# Altium PCB FSAES-22-E17 Temp Module PCB.PcbDoc (part 2 of 3) (continued)
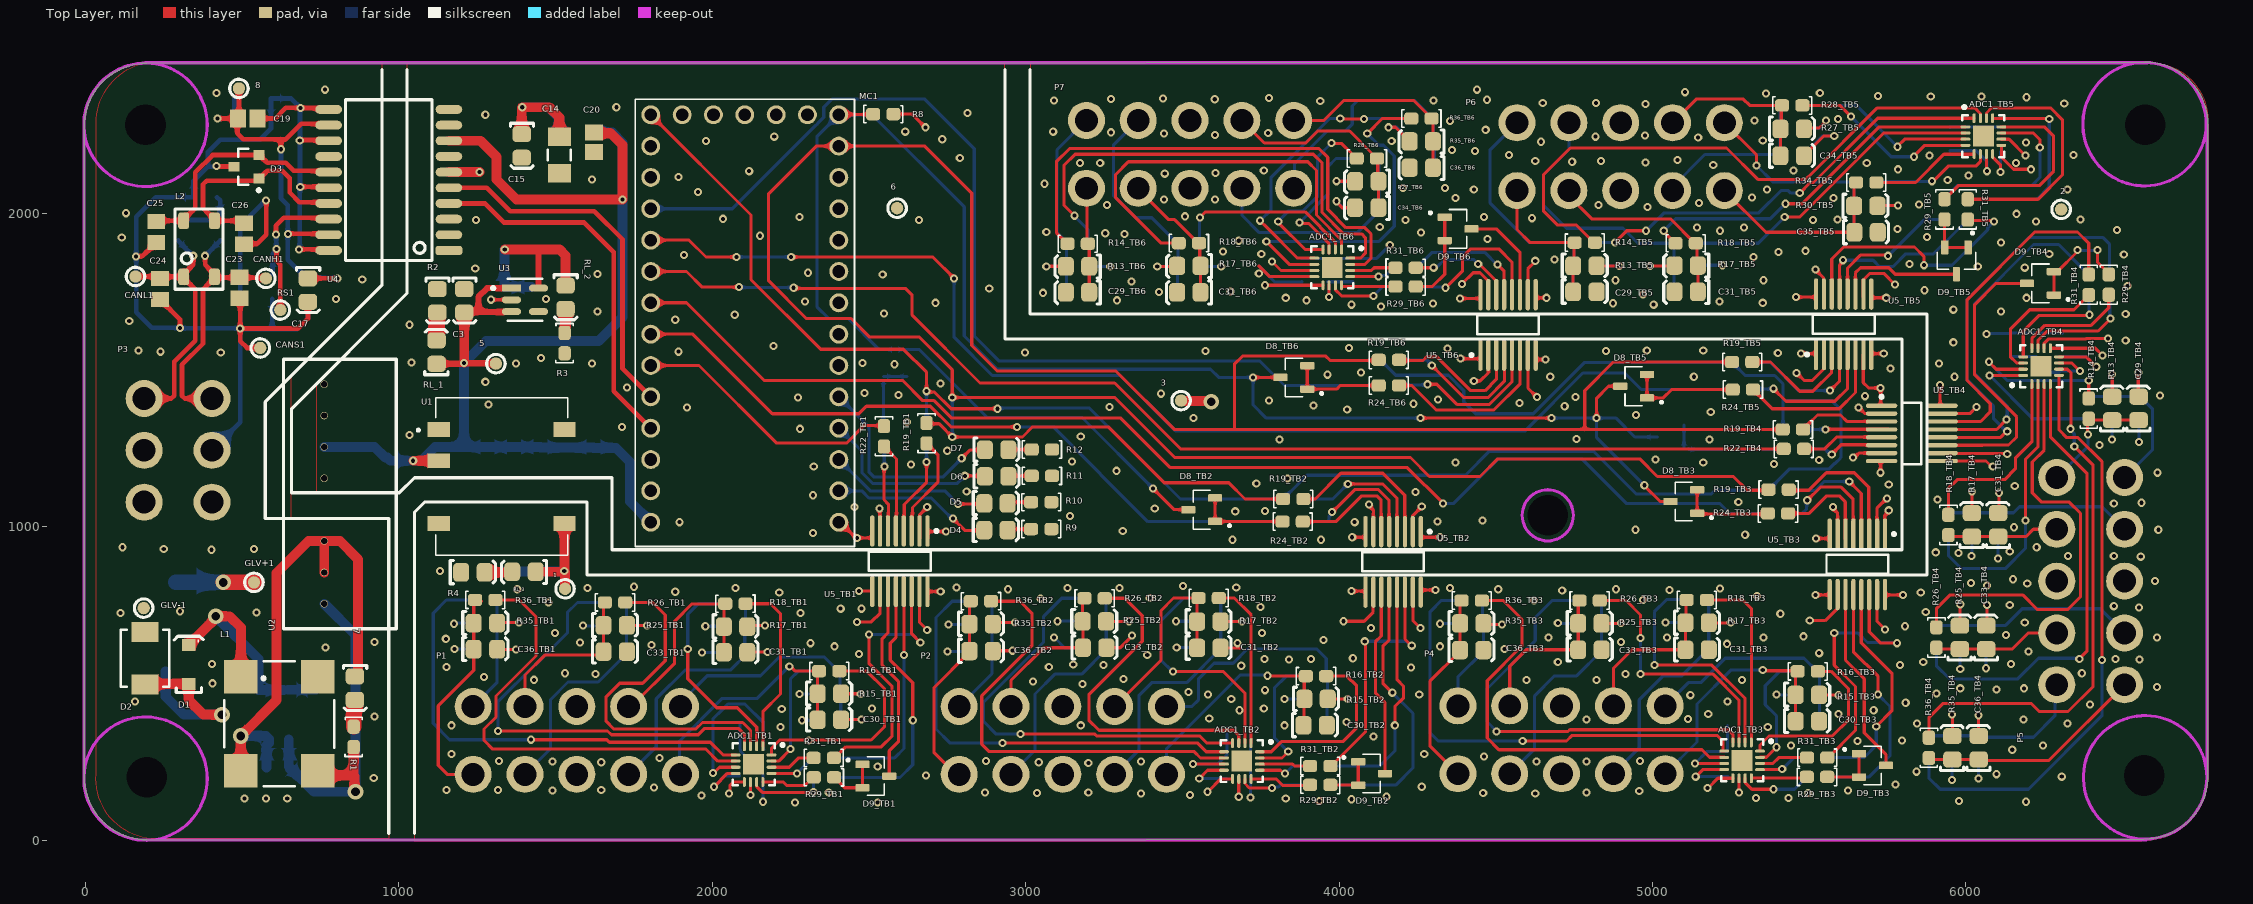
[diagram p0: Top Layer view]
## Nets (pads, with @x,y where several pads share a name; then routed paths per layer and width w, separated by ;. In a path a pad name is that pad's centre, name@x,y a point inside that pad or via, vN(x,y) a via of type N, cw(c..) or ccw(c..) an arc to the next point about the centre after c; other vN are vias at no path point) (continued)
  Bottom Layer w15: v1(302,1634) 212,1634 162,1684 v1(162,1862) 162,1988 224.97,2050.97 C22.2@345.07,2050.97 345.07,2103.07 390,2148 ; v1@303,1633 493,1633 v1(494,1632) ; P3.5@404,1243.35 494,1333.35 v1(494,1632) ; v1(418,2150) 416,2148 390,2148 ; v1@496,1630 596,1630 ; v1(576,2040) 574,2040 494,1960 v1(494,1632) ; C16.2@592,2364.31 592,2270 556,2234 430,2234 391.49,2195.49 391.49,2149.49 390,2148 ; C16.2@592,2366 656,2366 v1(686,2336) 685,2335 685,2233 v1(684,2232) ; R6.1@596,1726 596,1630 ; v1(682,1884) 683.81,1885.81 683.81,2082.19 v1(685.61,2084) 684.81,2084.81 v1@684.81,2231.19 ; C21.2@710,1723.94 710,1664 676,1630 596,1630
CRX1: MC1.23 U4.4 | length 1201.1
  Top Layer w15: U4.4@1160.02,2031 1275,2031 1336,1970 1592,1970 1686,1876 1686,1432 MC1.23@1804,1314
"CS (ADC)_TB1": ADC1_TB1.11 R33_TB1.1 | length 251.3
  Top Layer w10: ADC1_TB1.11@2141.84,184.91 2141.84,170.16 2160,152 2322,152 v1(2323,153)
  Bottom Layer w10: v1(2323,153) 2323,199 R33_TB1.1@2324,200
"CS (ADC)_TB2": ADC1_TB2.11 R33_TB2.1 | length 232.5
  Top Layer w10: ADC1_TB2.11@3699.84,194.91 3699.84,180.16 3714,166 v1(3786,166)
  Bottom Layer w10: v1(3786,166) 3789.06,169.06 3807.38,169.06 3814.33,176 R33_TB2.1@3907.57,176
"CS (ADC)_TB3": ADC1_TB3.11 R33_TB3.1 | length 235.8
  Top Layer w10: ADC1_TB3.11@5295.84,196.91 5295.84,183.26 5317.1,162 v1(5386,162)
  Bottom Layer w10: v1(5386,162) 5453.4,162 5475.06,183.66 5475.06,183.99 5492.37,201.3 R33_TB3.1@5492.7,201.3
"CS (ADC)_TB4": ADC1_TB4.11 R33_TB4.1 | length 364.2
  Top Layer w10: ADC1_TB4.11@6230.16,1569.09 6230.16,1594.7 6259.46,1624 6422,1624 v1(6462,1664)
  Bottom Layer w10: R33_TB4.1@6456,1739.52 6459,1736.52 6459,1667 v1(6462,1664)
"CS (ADC)_TB5": ADC1_TB5.11 R33_TB5.1 | length 587
  Top Layer w10: ADC1_TB5.11@6113.09,2255.84 6215.11,2255.84 6236,2234.96 v1(6236,2210)
  Bottom Layer w10: R33_TB5.1@5932,2044.48 5932,2047.43 5972.57,2088 6210,2088 6236,2114 v1(6236,2210)
"CS (ADC)_TB6": ADC1_TB6.11 R33_TB6.1 | length 227.3
  Top Layer w10: ADC1_TB6.11@3988.24,1769.84 3988.24,1755.76 4008,1736 v1(4110,1736)
  Bottom Layer w10: v1(4110,1736) 4140,1766 R33_TB6.1@4180.83,1766
"CS (SIGNAL ISO)_TB1": R33_TB1.2 U5_TB1.12 | length 857.3
  Top Layer w10: U5_TB1.12@2586,793.09 2586,645.57 2568,627.57 2568,574 2640,502 v1(2640,382)
  Bottom Layer w10: R33_TB1.2@2389.94,199.35 2599.35,199.35 2640,240 v1(2640,382)
"CS (SIGNAL ISO)_TB2": R33_TB2.2 U5_TB2.12 | length 895
  Top Layer w10: U5_TB2.12@4160,791.09 4160,638 4140,618 4140,500 v1(4170,470)
  Bottom Layer w10: R33_TB2.2@3972.53,176 4182,176 4235.99,229.99 4235.99,404.01 v1(4170,470)
"CS (SIGNAL ISO)_TB3": R33_TB3.2 U5_TB3.12 | length 791.4
  Top Layer w10: U5_TB3.12@5641.21,783.09 5641.21,600.79 5720,522 v1(5720,464)
  Bottom Layer w10: R33_TB3.2@5557.66,201.3 5691.3,201.3 5758,268 5758,426 v1(5720,464)
"CS (SIGNAL ISO)_TB4": R33_TB4.2 U5_TB4.12 | length 1334.2
  Top Layer w10: U5_TB4.12@5924,1284.8 6110.55,1284.8 ; 6111.01,1285.4 6129.61,1304 v1(6132,1304)
  Bottom Layer w10: v1(6132,1304) 6128.41,1304 6088.49,1343.92 6088.49,1383.51 6004,1468 6004,1726 6200,1922 6438,1922 6458,1902 6458,1806.48 R33_TB4.2@6456,1804.48
"CS (SIGNAL ISO)_TB5": R33_TB5.2 U5_TB5.12 | length 468.1
  Top Layer w10: U5_TB5.12@5622.41,1732 5622.41,1824.82 5663.59,1866 5750.01,1866 v1(5752,1864.01)
  Bottom Layer w10: v1(5752,1864.01) 5867.51,1979.52 R33_TB5.2@5932,1979.52
"CS (SIGNAL ISO)_TB6": R33_TB6.2 U5_TB6.12 | length 506.4
  Top Layer w10: v1(4340,1762) 4394.32,1816.32 4394.32,1860.32 4420,1886 4510,1886 4552,1844 U5_TB6.12@4552,1740
  Bottom Layer w10: R33_TB6.2@4245.8,1766 4247.8,1764 4338,1764 v1(4340,1762)
CTX1: MC1.22 U4.5 | length 1161.6
  Top Layer w15: U4.5@1160.02,2081 1281,2081 1356,2006 1624,2006 1714,1916 1714,1504 MC1.22@1804,1414
DECAP_TB1: ADC1_TB1.8 C37_TB1.2 | length 182.1
  Top Layer w10: v1(2006,170) 2048.47,212.47 ADC1_TB1.8@2074.91,212.47
  Bottom Layer w10: v1(2006,170) 2040.97,204.97 C37_TB1.2@2087.07,204.97
DECAP_TB2: ADC1_TB2.8 C37_TB2.2 | length 180
  Top Layer w10: v1(3554,196) 3580.47,222.47 ADC1_TB2.8@3632.91,222.47
  Bottom Layer w10: v1(3554,196) 3641.11,196 C37_TB2.2@3643.23,193.88
DECAP_TB3: ADC1_TB3.8 C37_TB3.2 | length 203.7
  Top Layer w10: v1(5138,202) 5160.47,224.47 ADC1_TB3.8@5228.91,224.47
  Bottom Layer w10: v1(5138,202) 5138.97,202.97 C37_TB3.2@5241.07,202.97
DECAP_TB4: ADC1_TB4.8 C37_TB4.2 | length 253.3
  Top Layer w10: ADC1_TB4.8@6297.09,1541.53 6384.47,1541.53 v1(6416,1510)
  Bottom Layer w10: C37_TB4.2@6307.96,1542 6384,1542 v1(6416,1510)
DECAP_TB5: ADC1_TB5.8 C37_TB5.2 | length 137.9
  Top Layer w10: ADC1_TB5.8@6085.53,2188.91 6085.53,2178.24 6110.94,2152.83 v1(6110.94,2131.06)
  Bottom Layer w10: v1(6110.94,2131.06) 6110.94,2196.05 C37_TB5.2@6114.12,2199.23
DECAP_TB6: ADC1_TB6.8 C37_TB6.2 | length 350.2
  Top Layer w10: 3744,1832 3778.6,1797.4 ADC1_TB6.8@3921.31,1797.4
  Bottom Layer w10: 3744,1832 3795.46,1780.54 3880.5,1780.54 C37_TB6.2@3881.03,1781.07
  other v1: 3744,1808
G1: 6.1 C1.2 C3.1 C4.2 C5.1 C8.2 C9.1 C10.1 C14.2 C15.2 C18.2 C20.1 C27.2 C28.2 MC1.G1 MC1.G2 R2.1 R3.1 R9.1 R10.1 R11.1 R12.1 U1.1 U2.7 U3.2 U3.4 U4.1 U4.3 U4.7 U4.9 U4.10 U5_TB1.2 U5_TB1.8 U5_TB2.2 U5_TB2.8 U5_TB3.2 U5_TB3.8 U5_TB4.2 U5_TB4.8 U5_TB5.2 U5_TB5.8 U5_TB6.2 U5_TB6.8 | length 1144.5
  Top Layer w10: v1(1294,1724) 1294.3,1723.7 1359.06,1723.7 U3.2@1359.36,1723.4 ; MC1.G1@2404,1014 2408,1014 2458,964 2510.27,964 U5_TB1.8@2511.81,962.46 ; U5_TB1.2@2662.99,962.46 2662.31,963.14 2662.31,1038.31 v1(2686,1062) ; v1(4042,966) 4082.27,966 U5_TB2.8@4083.81,964.46 ; U5_TB2.2@4234.99,964.46 4234.99,1034.99 v1(4264,1064) ; v1(4430,1464) 4430.79,1464.79 4450.79,1464.79 4475.12,1489.12 4475.12,1489.32 4477.01,1491.21 U5_TB6.2@4477.01,1535.54 ; U5_TB6.8@4628.19,1535.54 4628.19,1534.65 4629.93,1532.9 v1(4658.42,1532.9) ; v1(5460,1490) 5484,1466 5510,1466 5545.32,1501.32 5545.32,1502.87 5546.82,1504.36 U5_TB5.2@5546.82,1539.09 ; v1(5522,962) 5563.59,962 U5_TB3.8@5564.87,960.71 ; v1(5658,1380) 5677.01,1360.99 U5_TB4.2@5753.54,1360.99 ; U5_TB5.8@5698,1539.09 5698,1549.86 5700.14,1552 v1(5738,1552) ; U5_TB3.2@5716.05,960.71 5716.05,1058.05 v1(5748,1090) ; v1(5728,1172) 5728,1207.47 5729.89,1209.35 U5_TB4.8@5754,1209.35
  other v1: 3660,958 3942,958 2462,964 5296,974 2322,980 3310,986 4946,990 1896,1014 4050,1014 4314,1016 4458,1020 3142,1034 3668.81,1048.8 3764,1050 3412,1058 2454,1062 5274,1078 2322,1100 4244,1110 2812,1112 5754,1134 3736,1138 3836,1154 3290,1178 2324,1192 2634,1198 5388,1200 4372,1204 5162,1204 3148,1208 5532,1212 5010,1214 2750,1242 3810,1278 5182,1278 4758,1280 3176,1288 1034,1292 2280,1312 1712,1318 2622,1334 3536,1346 4948,1356 5186,1366 4026,1374 1920,1380 3268,1382 4720,1384 3918,1386 1286,1390 4238,1392 4576,1394 3776,1402 4316,1406 2274,1412 4754,1414 5678,1416 2594,1420 3432,1424 2486,1426 1728,1444 2728,1456 1276,1462 4674,1478 5132,1478 3963.04,1484.7 4070,1492 5760,1504 2581.17,1518.08 1374,1520 1616,1520 2480,1522 1040,1524 5400,1554 2998,1556 1892,1558 3574,1560 4852,1560 4982,1562 5162,1562 4346,1568 4032,1570 2196,1576 1034,1644 1882,1660 2072,1676 2548,1680 1634,1686 2712,1714 2296,1718 1470,1726 2884,1760 2544,1804 1634,1806 2306,1810 1244,1824 1910,1866 2152,1928 1246,1978 2660.16,1978 2034,1982 2278,1988 1955.19,2067.02 1616,2108 1892,2116 2118,2134 2790,2176 1980,2230 2734,2236 2198,2244 2616,2260 1276,2314 2814,2320 1694,2338
GLV+: F1.1 GLV+1.1 P3.1 | length 256.1
  Top Layer w50: P3.1@187.46,1078 P3.1@191.8,1073.66 ; v2(440,822) GLV+1.1@538,822
  Bottom Layer w50: F1.1@288,822 v2(440,822)
GLV-: C6.2 C11.1 C12.1 D2.1 GLV-1.1 L1.4 P3.4
  other v1: 508,132 576,132 644,132 920,198 922,394 158,442 406,500 766,614 922,632 112,724 546,726 302,730 402,926 250,928 538,928 118,934 432,1556 240,1558 170,1562 140,1656 800,1726 883.3,1788.37 116,1922 130,2000 418,2384 764,2394
LED1: D4.A MC1.0 | length 516.6
  Top Layer w10: v1(2768,1026) 2806,988 2867,988 D4.A@2868,989
  Bottom Layer w10: MC1.0@2404,1114 2477.03,1114 2500,1091.03 2698.97,1091.03 2764,1026 v1(2768,1026)
LED2: D5.A MC1.1 | length 523.6
  Top Layer w10: v1(2784,1072) 2866,1072 D5.A@2868,1074
  Bottom Layer w10: MC1.1@2404,1214 2504,1114 2742,1114 v1(2784,1072)
LED3: D6.A MC1.2 | length 597.6
  Top Layer w10: v1(2806,1162) D6.A@2868,1162 ; D6.A@2864,1166 D6.A@2868,1162 ; D6.A@2870,1160 D6.A@2868,1162 ; D6.A@2870,1162 D6.A@2868,1162
  Bottom Layer w10: MC1.2@2404,1314 2478,1240 2478,1171.28 2511.28,1138 2782,1138 v1(2806,1162)
LED4: D7.A MC1.3 | length 692
  Top Layer w10: v1(2796,1218) 2822,1244 2869,1244 D7.A@2870,1245
  Bottom Layer w10: MC1.3@2404,1414 2500,1318 2500,1174.74 2516.74,1158 2736,1158 v1(2796,1218)
MISO: D8_TB1.3 D8_TB2.3 D8_TB3.3 D8_TB4.3 D8_TB5.3 D8_TB6.3 MC1.12 R8.1 | length 6142.3
  Top Layer w10: MC1.12@2404,2314 2405,2315 2512.52,2315 R8.1@2513.52,2316 ; v1(3406,1122) 3474,1054 D8_TB2.3@3519.28,1054 ; v1(3726,1476) D8_TB6.3@3813.28,1476 ; v1(4260,1346) v1(4678,1346) ; v1(4822,1346) 4822,1410 4860,1448 D8_TB5.3@4878,1448 ; D8_TB5.3@4896.28,1449 D8_TB5.3@4897.28,1448 ; v1(4974,1131.99) 4974,1130.43 5024.43,1080 D8_TB3.3@5057.28,1080
  Bottom Layer w10: v1(3406,1122) 3180,1348 2878,1348 2661.28,1564.72 D8_TB1.3@2584,1564.72 2532.9,1564.72 2433.62,1664 2371.7,1664 2334,1701.69 2334,2244 MC1.12@2404,2314 2510,2314 2804,2020 2804,1608 2910,1502 3590,1502 3616,1476 v1(3726,1476) 3726,1388 3768,1346 v1(4260,1346) ; v1(4678,1346) v1(4822,1346) ; v1(4974,1131.99) 4822,1283.99 v1(4822,1346) ; D8_TB4.3@5015.28,1286 4944,1286 4884,1346 v1(4822,1346)
"MISO (ADC)_TB1": ADC1_TB1.12 R29_TB1.2 | length 177.8
  Top Layer w10: ADC1_TB1.12@2161.53,184.91 2227.09,184.91 2238,174 2295.05,174 2321.05,200 R29_TB1.2@2324,200
"MISO (ADC)_TB2": ADC1_TB2.12 R29_TB2.2 | length 197.5
  Top Layer w10: ADC1_TB2.12@3719.53,194.91 3799.09,194.91 3820,174 3905.57,174 R29_TB2.2@3907.57,176
"MISO (ADC)_TB3": ADC1_TB3.12 R29_TB3.2 | length 179.6
  Top Layer w10: ADC1_TB3.12@5315.53,196.91 5315.53,197.93 5315.61,198.01 5489.41,198.01 R29_TB3.2@5492.7,201.3
"MISO (ADC)_TB4": ADC1_TB4.12 R29_TB4.2 | length 358.6
  Top Layer w10: ADC1_TB4.12@6210.47,1569.09 6210.47,1600.47 6252,1642 6399.59,1642 6456,1698.41 R29_TB4.2@6456,1739.52
"MISO (ADC)_TB5": ADC1_TB5.12 R29_TB5.2 | length 676.4
  Top Layer w10: R29_TB5.2@5932,2044.48 5932,2044.81 5946.32,2059.13 5946.65,2059.13 5975.52,2088 6234,2088 6280,2134 6280,2246 6250.47,2275.53 ADC1_TB5.12@6113.09,2275.53
"MISO (ADC)_TB6": ADC1_TB6.12 R29_TB6.2 | length 175.7
  Top Layer w10: ADC1_TB6.12@4007.93,1769.84 4007.93,1766.08 4008.01,1766 R29_TB6.2@4179.85,1766
"MISO (SIGNAL ISO)_TB1": D9_TB1.3 U5_TB1.11 | length 630.5
  Top Layer w10: U5_TB1.11@2560.8,793.09 2560.8,661.2 2542,642.4 2542,558 2594,506 2594,313.6 2564.72,284.32 D9_TB1.3@2564.72,204
"MISO (SIGNAL ISO)_TB2": D9_TB2.3 U5_TB2.11 | length 599.6
  Top Layer w10: U5_TB2.11@4134.8,791.09 4134.8,650.8 4116,632 4116,470 4146.72,439.28 D9_TB2.3@4146.72,212
"MISO (SIGNAL ISO)_TB3": D9_TB3.3 U5_TB3.11 | length 598.4
  Top Layer w10: U5_TB3.11@5616.02,783.09 5616.02,573.98 5676,514 5676,342 5744.72,273.28 D9_TB3.3@5744.72,238
"MISO (SIGNAL ISO)_TB4": D9_TB4.3 U5_TB4.11 | length 921.9
  Top Layer w10: U5_TB4.11@5924,1259.61 6052.33,1259.61 6052.93,1260.2 6136.2,1260.2 6162,1286 6162,1350 6028,1484 6028,1708 6096,1776 D9_TB4.3@6195.28,1776
"MISO (SIGNAL ISO)_TB5": D9_TB5.3 U5_TB5.11 | length 415.4
  Top Layer w10: U5_TB5.11@5647.61,1732 5647.61,1809.61 5664,1826 5754,1826 5774.72,1805.28 D9_TB5.3@5970,1805.28
"MISO (SIGNAL ISO)_TB6": D9_TB6.3 U5_TB6.11 | length 332.2
  Top Layer w10: D9_TB6.3@4422.72,1950 4502,1950 4577.8,1874.2 U5_TB6.11@4577.8,1728.46
MOSI: MC1.11 R19_TB1.1 R19_TB2.1 R19_TB3.1 R19_TB4.1 R19_TB5.1 R19_TB6.1 | length 10503.7
  Top Layer w10: R19_TB1.1@2684,1328 2724,1328 v1(2766,1286) 2990,1286 3022,1318 3264,1318 3442,1140 3648,1140 3700,1088 R19_TB2.1@3821.52,1088 ; 3473.7,1310.64 3287.92,1496.42 2909.58,1496.42 2828,1578 2828,2064 2678,2214 MC1.11@2404,2214 2332,2214 2180,2062 2180,1784 2300,1664 2443.39,1664 2502.89,1604.5 2661.5,1604.5 2766,1500 v1(2766,1412) 3284.34,1412 3475.92,1220.42 4227.92,1220.42 4288.35,1159.98 4449.98,1159.98 4506,1216 4959.84,1216 5015.85,1159.98 5258.35,1159.98 5302.34,1116 R19_TB3.1@5370,1116 ; 3474.4,1309.94 3666,1309.94 3666,1518 3692,1544 3957.57,1544 3971.71,1529.86 R19_TB6.1@4126.55,1529.86 ; 3667,1309.94 4633.49,1309.94 ; 4634.49,1309.94 4784,1309.94 ; R19_TB5.1@5253.71,1525.21 4875.21,1525.21 4784,1434 4784,1309.94 ; R19_TB4.1@5415.67,1309.94 4784,1309.94
  Bottom Layer w10: v1(2766,1286) v1(2766,1412)
"MOSI (ADC)_TB1": ADC1_TB1.14 R31_TB1.1 | length 146.8
  Top Layer w10: ADC1_TB1.14@2189.09,232.16 2245.74,232.16 2275.59,262 R31_TB1.1@2323.52,262
"MOSI (ADC)_TB2": ADC1_TB2.14 R31_TB2.1 | length 163
  Top Layer w10: ADC1_TB2.14@3747.09,242.16 3851.84,242.16 3858,236 R31_TB2.1@3907.52,236
"MOSI (ADC)_TB3": ADC1_TB3.14 R31_TB3.1 | length 157.7
  Top Layer w10: ADC1_TB3.14@5343.09,244.16 5383.74,244.16 5402.6,263.02 R31_TB3.1@5492.98,263.02
"MOSI (ADC)_TB4": ADC1_TB4.14 R31_TB4.1 | length 432.6
  Top Layer w10: ADC1_TB4.14@6182.91,1521.84 6162.16,1521.84 6142,1542 6142,1630 6204,1692 6344.96,1692 6377.35,1724.39 6377.68,1724.39 6392,1738.71 R31_TB4.1@6392,1739.04
"MOSI (ADC)_TB5": ADC1_TB5.14 R31_TB5.1 | length 791.5
  Top Layer w10: R31_TB5.1@6006,2044.48 6230.48,2044.48 6308,2122 6308,2298 6270,2336 6082,2336 6065.84,2319.84 ADC1_TB5.14@6065.84,2303.09
"MOSI (ADC)_TB6": ADC1_TB6.14 R31_TB6.1 | length 148
  Top Layer w10: ADC1_TB6.14@4035.49,1817.09 4103.09,1817.09 4112,1826 R31_TB6.1@4179.8,1826
"MOSI (SIGNAL ISO)_TB1": R31_TB1.2 U5_TB1.14 | length 918.5
  Top Layer w10: R31_TB1.2@2388.48,262 2391.43,262 2426.62,297.18 2539.18,297.18 2574,332 2574,489.85 2500,563.85 v1(2500,656) ; U5_TB1.14@2636.39,793.09 2636.39,657.61 v1(2664,630)
  Bottom Layer w10: v1(2500,656) 2638,656 v1(2664,630)
"MOSI (SIGNAL ISO)_TB2": R31_TB2.2 U5_TB2.14 | length 783.1
  Top Layer w10: R31_TB2.2@3972.48,236 3975.43,236 4084,344.57 4084,632 v1(4082,634) ; U5_TB2.14@4210.39,791.09 4210.39,640.8 4231.2,620 v1(4232,620)
  Bottom Layer w10: v1(4082,634) 4213.67,634 4227.67,620 v1(4232,620)
"MOSI (SIGNAL ISO)_TB3": R31_TB3.2 U5_TB3.14 | length 899.6
  Top Layer w10: R31_TB3.2@5557.94,263.02 5560.9,263.02 5648,350.12 5648,490 5580,558 v1(5580,660) ; U5_TB3.14@5691.61,783.09 5691.61,664.39 5728,628 v1(5780,628)
  Bottom Layer w10: v1(5580,660) 5656.16,660 5686.17,629.99 5778.01,629.99 v1(5780,628)
"MOSI (SIGNAL ISO)_TB4": R31_TB4.2 U5_TB4.14 | length 1147.8
  Top Layer w10: U5_TB4.14@5924,1335.2 6047.2,1335.2 6078,1366 6078,1392 6004,1466 6004,1724 6220,1940 6356,1940 6392,1904 R31_TB4.2@6392,1804
"MOSI (SIGNAL ISO)_TB5": R31_TB5.2 U5_TB5.14 | length 838.3
  Top Layer w10: U5_TB5.14@5572.02,1737.67 5572.02,1854.02 5610,1892 5836,1892 5866,1862 v1(5866,1834) ; R31_TB5.2@6006,1979.52 6008.76,1976.76 6087.24,1976.76 v1(6090,1974)
  Bottom Layer w10: v1(5866,1834) 5956,1834 6069.67,1947.67 6069.67,1953.67 v1(6090,1974)
"MOSI (SIGNAL ISO)_TB6": R31_TB6.2 U5_TB6.14 | length 339.6
  Top Layer w10: R31_TB6.2@4244.76,1826 v1(4302,1826) ; v1(4444,1838) 4447.28,1838 4501.61,1783.67 U5_TB6.14@4501.61,1740
  Bottom Layer w10: v1(4302,1826) 4305.06,1829.06 4313.6,1829.06 4336.54,1852 4430,1852 v1(4444,1838)
Net7_K: 7.K R1.2 | length 89.2
  Top Layer w50: R1.2@856,361.48 856,446.48 856.59,447.07 7.K@859.97,447.07
NetADC1_TB1_1: ADC1_TB1.1 R18_TB1.1 | length 571.1
  Top Layer w10: R18_TB1.1@2106.48,754 2186,754 2218,722 2218,466 2161.61,409.61 2161.61,299.17 ADC1_TB1.1@2161.53,299.09
NetADC1_TB1_2: ADC1_TB1.2 R23_TB1.1 | length 684.3
  Top Layer w10: v1(1922,610) 1922,514 2014,422 2080.01,422 2142.01,360 2142.01,334.96 2141.84,334.8 ADC1_TB1.2@2141.84,299.09
  Bottom Layer w10: v1(1922,610) 1922,720 1956,754 R23_TB1.1@2041.47,754
NetADC1_TB1_3: ADC1_TB1.3 R26_TB1.1 | length 1145.3
  Top Layer w10: R26_TB1.1@1722.48,758 1810,758 1850,718 1850,572 1778,500 1704.54,500 1661.43,456.88 1661.43,378.57 1686,354 1948,354 1968.85,374.85 2097.15,374.85 2122.08,349.92 2122.08,299.17 ADC1_TB1.3@2122.16,299.09
NetADC1_TB1_4: ADC1_TB1.4 R28_TB1.1 | length 1449.5
  Top Layer w10: v1(1316,348) 1666,348 1674,340 1674.54,340 1678.54,336 1955.46,336 1974.73,355.27 2084.73,355.27 2102.47,337.53 ADC1_TB1.4@2102.47,299.09
  Bottom Layer w10: v1(1316,348) 1316,441.08 1433.03,558.1 1435.69,558.1 1538,660.41 1538,726 1570,758 R28_TB1.1@1657.52,758
NetADC1_TB1_5: ADC1_TB1.5 R34_TB1.1 | length 1509.4
  Top Layer w10: v1(1422,320) 1664,320 1672,312 1994,312 2034.47,271.53 ADC1_TB1.5@2074.91,271.53
  Bottom Layer w10: R34_TB1.1@1243.52,766 1152,766 1110,724 1110,372 1162,320 v1(1422,320)
NetADC1_TB1_6: ADC1_TB1.6 R36_TB1.1 | length 1444.8
  Top Layer w10: R36_TB1.1@1308.48,766 1384,766 1437.86,712.14 1437.86,587.31 1310,459.46 1310,392 1272,354 1272,318 1300,290 1980,290 2018.16,251.84 ADC1_TB1.6@2074.91,251.84
NetADC1_TB1_15: ADC1_TB1.15 R14_TB1.1 | length 401.8
  Top Layer w10: ADC1_TB1.15@2189.09,251.84 2211.84,251.84 v1(2250,290)
  Bottom Layer w10: v1(2250,290) 2250,514 2274.8,538.8 R14_TB1.1@2340.81,538.8
NetADC1_TB1_16: ADC1_TB1.16 R16_TB1.1 | length 698.7
  Top Layer w10: ADC1_TB1.16@2189.09,271.53 2189.09,293.09 2215,319 2507,319 2550,362 2550,482 2493.2,538.8 R16_TB1.1@2405.82,538.8
  other v1: 2308,318
NetADC1_TB2_1: ADC1_TB2.1 R18_TB2.1 | length 534.6
  Top Layer w10: R18_TB2.1@3616.48,772 3666,772 3719.53,718.47 ADC1_TB2.1@3719.53,309.09
NetADC1_TB2_2: ADC1_TB2.2 R23_TB2.1 | length 746.1
  Top Layer w10: v1(3470,538) 3630,538 3699.84,468.16 ADC1_TB2.2@3699.84,309.09
  Bottom Layer w10: v1(3470,538) 3467.94,538 3432,573.94 3432,700 3504,772 R23_TB2.1@3551.52,772
  other v1: 3682,414
NetADC1_TB2_3: ADC1_TB2.3 R26_TB2.1 | length 1069.8
  Top Layer w10: R26_TB2.1@3252.47,771.43 3316.57,771.43 3372,716 3372,634 3202,464 3202,382 3234,350 3664,350 3680.08,333.92 3680.08,309.17 ADC1_TB2.3@3680.16,309.09
NetADC1_TB2_4: ADC1_TB2.4 R28_TB2.1 | length 1391.8
  Top Layer w10: v1(2984,338) 3220.54,338 3226.54,332 3556,332 3578.91,309.09 ADC1_TB2.4@3660.47,309.09
  Bottom Layer w10: v1(2984,338) 2906,338 2866,378 2866,440.37 3057.43,631.8 3057.43,713.43 3115.43,771.43 R28_TB2.1@3187.51,771.43
NetADC1_TB2_5: ADC1_TB2.5 R34_TB2.1 | length 1438.5
  Top Layer w10: v1(2926,310) 3548,310 3576.47,281.53 ADC1_TB2.5@3632.91,281.53
  Bottom Layer w10: R34_TB2.1@2826,762 2766,762 2714,710 2714,354 2758,310 v1(2926,310)
NetADC1_TB2_6: ADC1_TB2.6 R36_TB2.1 | length 1421.2
  Top Layer w10: R36_TB2.1@2890,762 2982,762 3020,724 3020,620 2860,460 2860,306 2884,282 3538,282 3558.16,261.84 ADC1_TB2.6@3632.91,261.84
NetADC1_TB2_15: ADC1_TB2.15 R14_TB2.1 | length 436.9
  Top Layer w10: ADC1_TB2.15@3747.09,261.84 3817.84,261.84 v1(3838,282)
  Bottom Layer w10: v1(3838,282) 3794,326 3794,486 3831.03,523.03 R14_TB2.1@3894.05,523.03
NetADC1_TB2_16: ADC1_TB2.16 R16_TB2.1 | length 584.4
  Top Layer w10: ADC1_TB2.16@3747.09,281.53 3783.53,281.53 3816,314 4012,314 4056,358 4056,492 4024.97,523.03 R16_TB2.1@3959.06,523.03
NetADC1_TB3_1: ADC1_TB3.1 R18_TB3.1 | length 580.3
  Top Layer w10: R18_TB3.1@5174,766 5288,766 5315.53,738.47 ADC1_TB3.1@5315.53,311.09
NetADC1_TB3_2: ADC1_TB3.2 R23_TB3.1 | length 762.6
  Top Layer w10: v1(5006,558) 5189.46,558 5295.84,451.61 ADC1_TB3.2@5295.84,311.09
  Bottom Layer w10: v1(5006,558) 5006,728 5044.97,766.97 R23_TB3.1@5107.98,766.97
NetADC1_TB3_3: ADC1_TB3.3 R26_TB3.1 | length 820.8
  Top Layer w10: R26_TB3.1@4832,764 4916,764 4962,718 v1(4962,644) ; v1(4962,530) 5192,530 5276.16,445.84 ADC1_TB3.3@5276.16,311.09
  Bottom Layer w10: v1(4962,530) v1(4962,644)
NetADC1_TB3_4: ADC1_TB3.4 R28_TB3.1 | length 1393
  Top Layer w10: v1(4502,346) 4730.54,346 4736.54,352 5242,352 5256.47,337.53 ADC1_TB3.4@5256.47,311.09
  Bottom Layer w10: v1(4502,346) 4502,348 4472,378 4472,482 4626,636 4626,710 4680,764 R28_TB3.1@4767.04,764
NetADC1_TB3_5: ADC1_TB3.5 R34_TB3.1 | length 1498
  Top Layer w10: v1(4586,316) 4726,316 4744,334 5206,334 5224.61,315.39 5224.61,283.61 5224.69,283.53 ADC1_TB3.5@5228.91,283.53
  Bottom Layer w10: R34_TB3.1@4391.04,764 4326,764 4290.71,728.71 4290.71,341.29 4316,316 v1(4586,316)
NetADC1_TB3_6: ADC1_TB3.6 R36_TB3.1 | length 1359.3
  Top Layer w10: R36_TB3.1@4456,764 4524,764 4584,704 4584,619.46 4472.72,508.17 4472.72,325.28 4510,288 5158,288 5182.16,263.84 ADC1_TB3.6@5228.91,263.84
NetADC1_TB3_15: ADC1_TB3.15 R14_TB3.1 | length 399.7
  Top Layer w10: ADC1_TB3.15@5343.09,263.84 5343.17,263.92 5363.92,263.92 v1(5396,296)
  Bottom Layer w10: v1(5396,296) 5396,396 5360,432 5360,492 5406,538 R14_TB3.1@5463.52,538
NetADC1_TB3_16: ADC1_TB3.16 R16_TB3.1 | length 555.2
  Top Layer w10: ADC1_TB3.16@5343.09,283.53 5343.09,303.09 5372,332 5574,332 5626,384 5626,482 5570,538 R16_TB3.1@5528,538
NetADC1_TB4_1: ADC1_TB4.1 R18_TB4.1 | length 616.6
  Top Layer w10: R18_TB4.1@5944.23,1037.68 5944.23,1122.23 5972,1150 6124,1150 6158,1184 6158,1218.41 6210.47,1270.89 ADC1_TB4.1@6210.47,1454.91
NetADC1_TB4_2: ADC1_TB4.2 R23_TB4.1 | length 896.1
  Top Layer w10: v1(6190,1020) 6190,1214.21 6230.16,1254.36 ADC1_TB4.2@6230.16,1454.91
  Bottom Layer w10: R23_TB4.1@5944.2,972.72 5944.2,907.8 5986,866 6126,866 6190,930 v1(6190,1020)
NetADC1_TB4_3: ADC1_TB4.3 R26_TB4.1 | length 1383.3
  Top Layer w10: R26_TB4.1@5906,678.48 5906,738 5950,782 6180.99,782 6226.99,736 6326,736 6366,776 6366,1042 6330,1078 6242,1078 6212,1108 6212,1206 6249.84,1243.84 ADC1_TB4.3@6249.84,1454.91
NetADC1_TB4_4: ADC1_TB4.4 R28_TB4.1 | length 1494.2
  Top Layer w10: ADC1_TB4.4@6269.53,1454.91 6269.53,1286.47 6386,1170 6386,602 v1(6362,578)
  Bottom Layer w10: R28_TB4.1@5906,613.52 5906,556 5948,514 6166,514 6232,580 6360,580 v1(6362,578)
NetADC1_TB4_5: ADC1_TB4.5 R34_TB4.1 | length 1891.6
  Top Layer w10: ADC1_TB4.5@6297.09,1482.47 6297.09,1308.91 6322.01,1283.99 6358.01,1283.99 6434,1208 v1(6434,574)
  Bottom Layer w10: R34_TB4.1@5882,261.52 5882,198 5918,162 6200,162 6434,396 v1(6434,574)
NetADC1_TB4_6: ADC1_TB4.6 R36_TB4.1 | length 1725.1
  Top Layer w10: R36_TB4.1@5882,326.48 5882,390 5928,436 6208,436 6234,410 6326,410 6406,490 6406,1196 v1(6346,1256) ; ADC1_TB4.6@6297.09,1502.16 6323.84,1502.16 6336,1490 6336,1314 v1(6334,1312)
  Bottom Layer w10: v1(6334,1312) 6334,1307.67 6346,1295.67 v1(6346,1256)
NetADC1_TB4_15: ADC1_TB4.15 R14_TB4.1 | length 520.7
  Top Layer w10: v1(6074,1526) 6074,1524.97 6096.82,1502.16 ADC1_TB4.15@6182.91,1502.16 ; R14_TB4.1@6392,1408.96 v1(6392,1466)
  Bottom Layer w10: v1(6074,1526) 6074,1523.59 6131.59,1466 v1(6392,1466)
NetADC1_TB4_16: ADC1_TB4.16 R16_TB4.1 | length 480.3
  Top Layer w10: v1(6076,1482) 6076.47,1482.47 ADC1_TB4.16@6182.91,1482.47
  Bottom Layer w10: v1(6076,1482) 6214,1344 R16_TB4.1@6392,1344
NetADC1_TB5_1: ADC1_TB5.1 R18_TB5.1 | length 1156
  Top Layer w10: v1(5036,1944) 5036,1941.19 5073.19,1904 R18_TB5.1@5073.52,1904 ; v1(5424,2030) 5478,2030 5723.53,2275.53 ADC1_TB5.1@5998.91,2275.53
  Bottom Layer w10: v1(5036,1944) 5074.07,1982.07 5376.07,1982.07 v1(5424,2030)
NetADC1_TB5_2: ADC1_TB5.2 R23_TB5.1 | length 1006.2
  Top Layer w10: v1(5422,1988) 5470,1988 5737.84,2255.84 ADC1_TB5.2@5998.91,2255.84
  Bottom Layer w10: R23_TB5.1@5138.48,1904 5338,1904 v1(5422,1988)
NetADC1_TB5_3: ADC1_TB5.3 R26_TB5.1 | length 586.1
  Top Layer w10: v1(5782,2212) 5782,2213.66 5804.5,2236.16 ADC1_TB5.3@5998.91,2236.16
  Bottom Layer w10: R26_TB5.1@5478.48,2344 5650,2344 v1(5782,2212)
NetADC1_TB5_4: ADC1_TB5.4 R28_TB5.1 | length 604.6
  Top Layer w10: R28_TB5.1@5478.48,2344 5598,2344 v1(5634,2308) ; v1(5834,2180) 5834,2182 5868.47,2216.47 ADC1_TB5.4@5998.91,2216.47
  Bottom Layer w10: v1(5634,2308) 5762,2180 v1(5834,2180)
NetADC1_TB5_5: ADC1_TB5.5 R34_TB5.1 | length 350.1
  Top Layer w10: R34_TB5.1@5714.48,2098 5839.69,2098 5929.69,2188 6026.39,2188 6026.47,2188.08 ADC1_TB5.5@6026.47,2188.91
NetADC1_TB5_6: ADC1_TB5.6 R36_TB5.1 | length 382.8
  Top Layer w10: v1(5892,2102) 5895.59,2102 5943.59,2150 6031.69,2150 6046.16,2164.47 ADC1_TB5.6@6046.16,2188.91
  Bottom Layer w10: R36_TB5.1@5714.48,2100 5715.48,2101 5891,2101 v1(5892,2102)
NetADC1_TB5_15: ADC1_TB5.15 R14_TB5.1 | length 1908.6
  Top Layer w10: R14_TB5.1@4816.48,1906 4813.53,1906 4757.53,1962 4697.86,1962 4652,2007.86 4652,2122 4738,2208 5236.41,2208 5336.41,2108 5488.54,2108 5496.54,2116 5498,2116 5717.84,2335.84 6028.16,2335.84 6046.16,2317.84 ADC1_TB5.15@6046.16,2303.09
NetADC1_TB5_16: ADC1_TB5.16 R16_TB5.1 | length 1381.1
  Top Layer w10: v1(4880,1906) 4918,1944 v1(4980,1944) ; v1(5470,2064) 5504,2098 5514,2098 5719.09,2303.09 ADC1_TB5.16@6026.47,2303.09
  Bottom Layer w10: R16_TB5.1@4816.48,1906 v1(4880,1906) ; v1(4980,1944) 5036.07,2000.07 5338.07,2000.07 5410.01,2072.01 5433.84,2072.01 5441.85,2064 v1(5470,2064)
NetADC1_TB6_1: ADC1_TB6.1 R18_TB6.1 | length 1289.2
  Top Layer w10: R18_TB6.1@3488.61,1904.47 3432.56,1904.47 3287.36,2049.67 3287.36,2123.36 3328,2164 3900,2164 3928,2136 3928,1994 4007.93,1914.07 ADC1_TB6.1@4007.93,1884.01
NetADC1_TB6_2: ADC1_TB6.2 R23_TB6.1 | length 587.8
  Top Layer w10: v1(3556,1986) 3574,2004 3892,2004 3988.24,1907.76 ADC1_TB6.2@3988.24,1884.01
  Bottom Layer w10: R23_TB6.1@3553.57,1902.47 3554.78,1903.69 3554.78,1984.78 v1(3556,1986)
NetADC1_TB6_3: ADC1_TB6.3 R26_TB6.1 | length 472.4
  Top Layer w10: v1(3874,1970) 3877.06,1966.94 3903.6,1966.94 3968.56,1901.99 ADC1_TB6.3@3968.56,1884.01 ADC1_TB6.3@3968.56,1871
  Bottom Layer w10: v1(3874,1970) 3964,2060 3964,2148 3990.47,2174.47 R26_TB6.1@4056.43,2174.47